# Altium PCB power.PcbDoc (part 1 of 2) (continued)
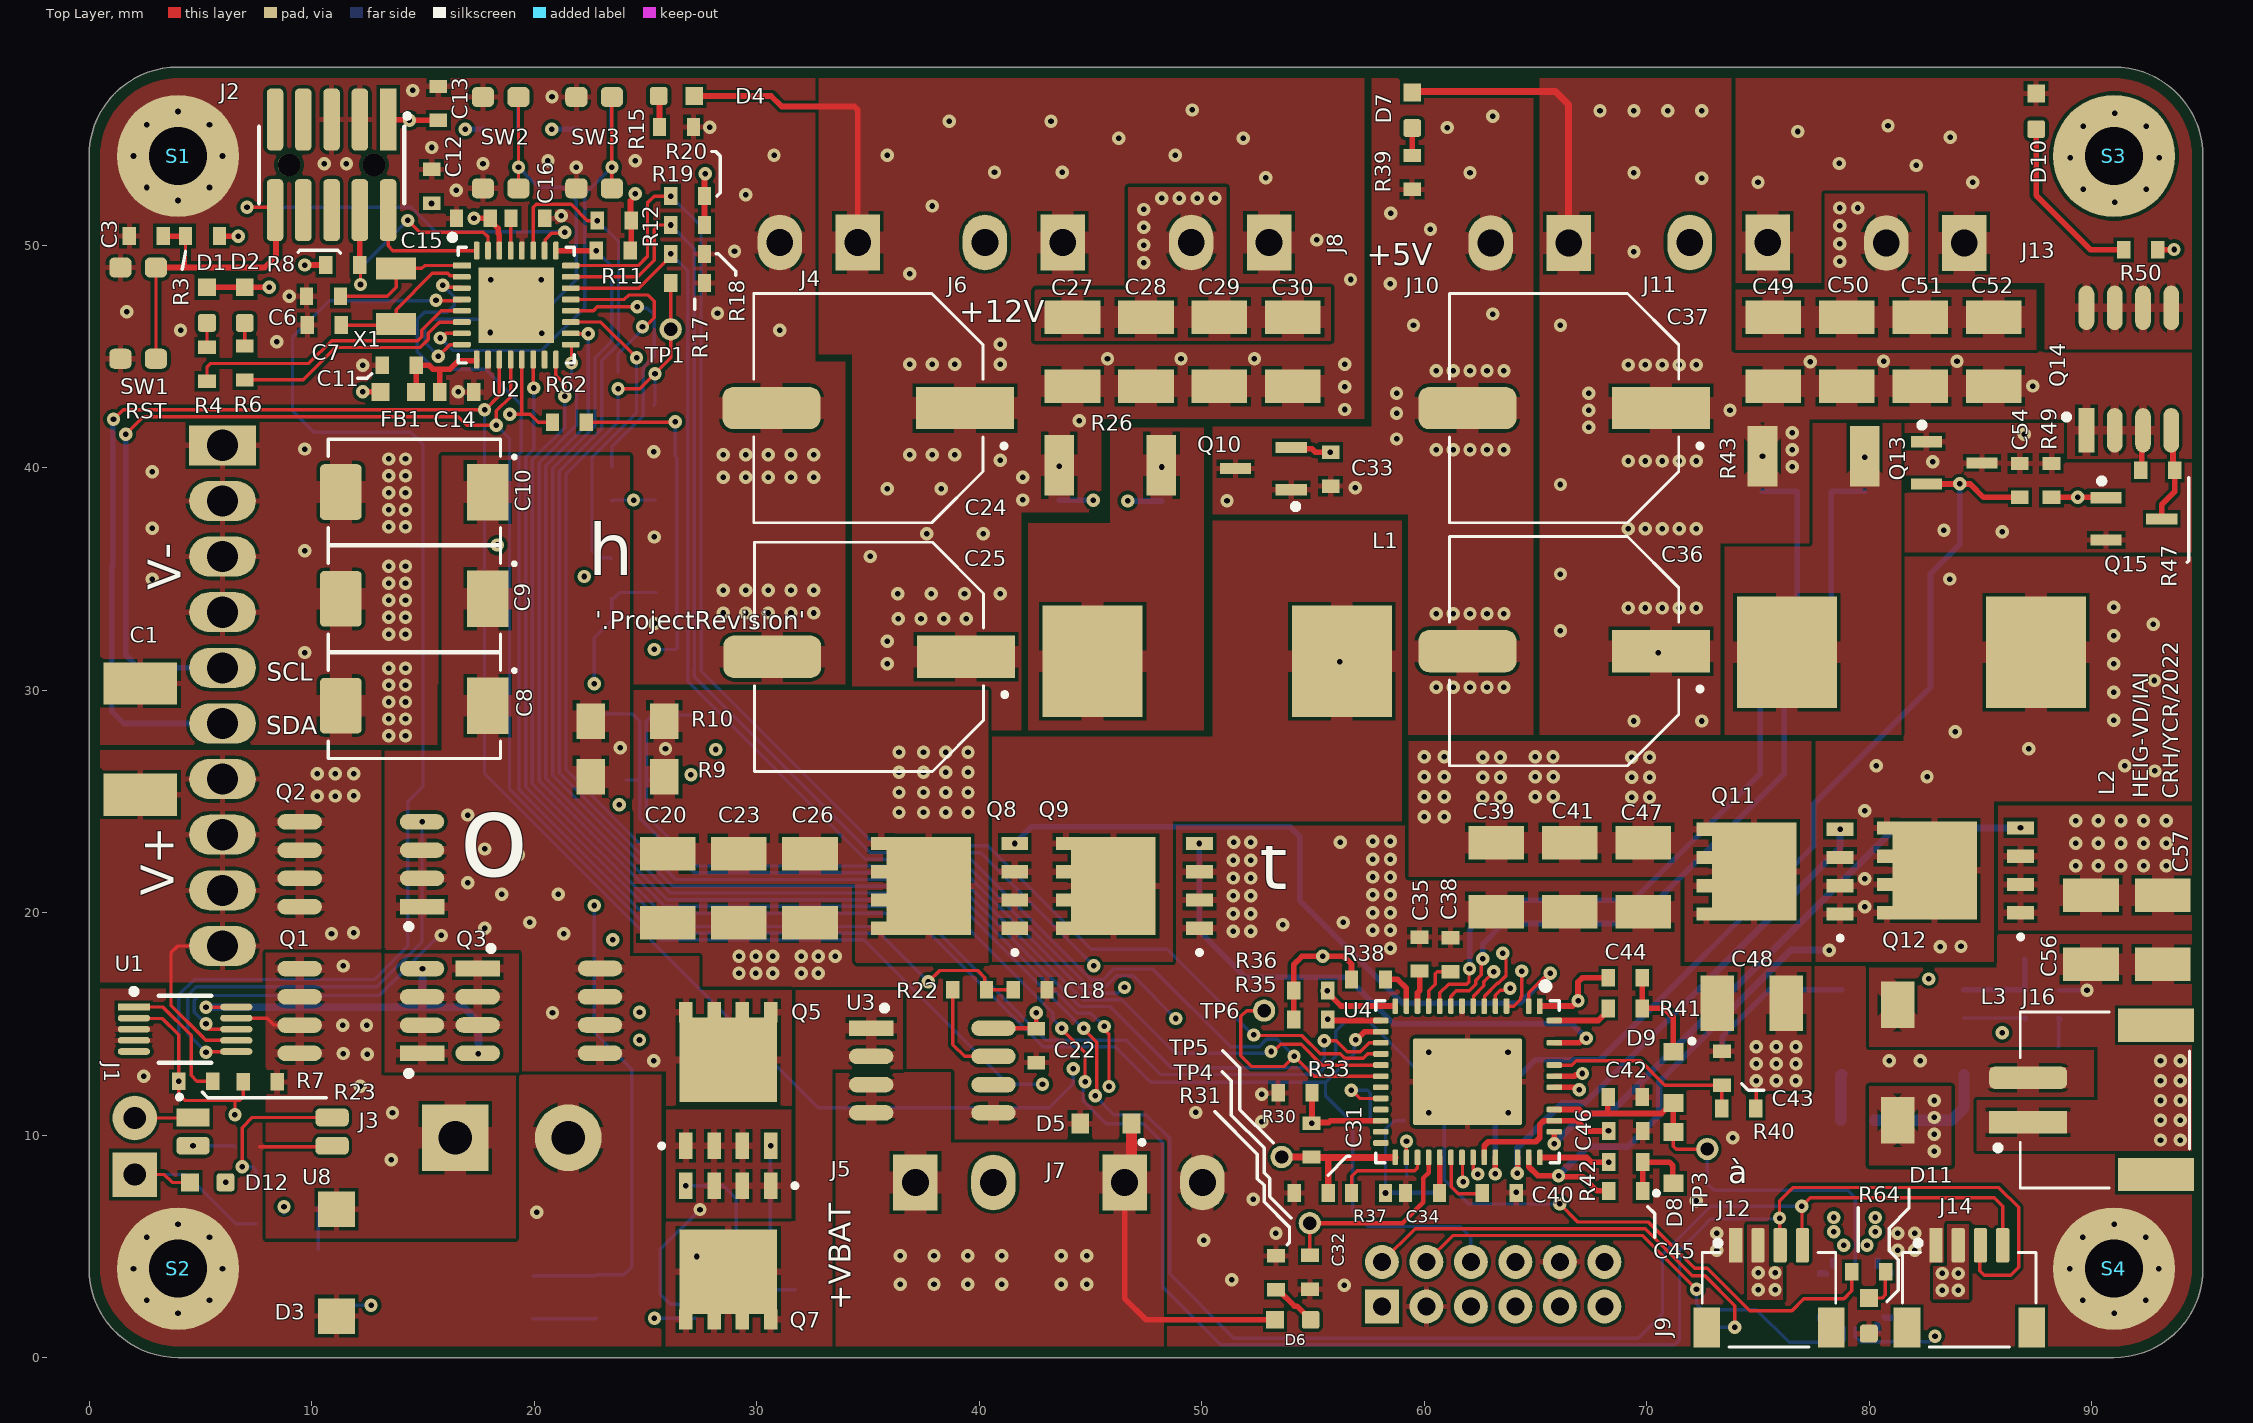
[diagram p0: Top Layer view]
## Classes and differential pairs (continued)

## Components (designator, comment, footprint, x,y, rotation, side; value= is the part's Value field where it differs from the comment)
C1 "15n" SM/C1812 2.311,27.798 r270 top
C3 "100n" SM/C0603 2.6,50.4 r0 top
C4 "100n" SM/C0603 32.487,3.048 r180 bottom
C5 "10n" SM/C0603 14.249,48.26 r270 bottom
C6 "15p" SM/C0603 10.563,47.7 r0 top
C7 "15p" SM/C0603 10.6,46.4 r0 top
C8 "47u" CAP-TANTAL-2917-7343 14.619,29.3 r180 top
C9 "47u" CAP-TANTAL-2917-7343 14.619,34.1 r180 top
C10 "47u" CAP-TANTAL-2917-7343 14.619,38.9 r180 top
C11 "1u" SM/C0603 13.963,44.6 r0 top
C12 "100n" SM/C0603 15.4,52.613 r270 top
C13 "100n" SM/C0603 15.697,56.337 r270 top
C14 "100n" SM/C0603 16.5,43.4 r180 top
C15 "100n" SM/C0603 17.3,51.2 r0 top
C16 "1u" SM/C0603 19.7,51.2 r180 top
C17 "1n" SM/C0603 24.917,25.959 r0 bottom
C18 "100n" SM/C0603 42.266,16.535 r180 top
C19 "1n" SM/C0603 22.733,28.118 r270 bottom
C20 "2.2u" SM/C1210 26,21.1 r90 top value=GMK325B7225KNHT
C21 "1n" SM/C0603 27.051,28.092 r270 bottom
C22 "100n" SM/C0603 42.57,14.046 r90 top
C23 "2.2u" SM/C1210 29.2,21.1 r90 top value=GMK325B7225KNHT
C24 "150u" CAP_16SVP150M 35.02,42.672 r180 top value=16SVP150M
C25 "150u" CAP_16SVP150M 35.052,31.496 r180 top value=16SVP150M
C26 "2.2u" SM/C1210 32.4,21.1 r90 top value=GMK325B7225KNHT
C27 "22u" SM/C1210 44.196,45.212 r90 top
C28 "22u" SM/C1210 47.498,45.212 r90 top
C29 "22u" SM/C1210 50.8,45.212 r90 top
C30 "22u" SM/C1210 54.102,45.212 r90 top
C31 "1u" SM/C0603 54.9,7.4 r180 top
C32 "1u" SM/C0603 54.864,3.81 r270 top
C33 "10n" SM/C0603 55.8,39.9 r270 top
C34 "220p" SM/C0603 59.9,7.4 r180 top
C35 "220p" SM/C0603 59.792,18.161 r90 top
C36 "150u" CAP_16SVP150M 66.294,31.75 r180 top value=16SVP150M
C37 "150u" CAP_16SVP150M 66.294,42.672 r180 top value=16SVP150M
C38 "4.7n" SM/C0603 61.189,18.136 r90 top
C39 "2.2u" SM/C1210 63.246,21.59 r90 top
C40 "4.7n" SM/C0603 63.4,7.4 r0 top
C41 "2.2u" SM/C1210 66.548,21.59 r90 top
C42 "4.7u" SM/C0603 69.063,11.709 r0 top
C43 "1u" SM/C0603 73.381,13.03 r90 top
C44 "100n" SM/C0603 69.012,17.069 r180 top
C45 "100n" SM/C0603 69.037,7.493 r180 top
C46 "4.7u" SM/C0603 69.088,10.185 r0 top
C47 "2.2u" SM/C1210 69.85,21.59 r90 top
C48 "10u" SM/C1210 74.726,15.926 r180 top value=GMK325BJ106KN-T
C49 "22u" SM/C1210 75.692,45.212 r90 top
C50 "22u" SM/C1210 78.994,45.212 r90 top
C51 "22u" SM/C1210 82.296,45.212 r90 top
C52 "22u" SM/C1210 85.598,45.212 r90 top
C53 "100n" SM/C0603 79.502,10.668 r0 bottom
C54 "10n" SM/C0603 86.766,39.446 r90 top
C55 "100n" SM/C0603 19.202,1.753 r0 bottom
C56 "22u" SM/C1210 89.967,19.228 r90 top
C57 "22u" SM/C1210 93.193,19.228 r90 top
C58 "100n" SM/C0603 78.029,8.28 r270 bottom
C59 "3.3n" SM/C0603 87.757,13.97 r0 bottom
C60 "1n" SM/C0603 77.5,38.9 r180 bottom
C61 "1n" SM/C0603 45.9,38.5 r180 bottom
C62 "100n" SM/C0603 22.7,56.6 r0 bottom
C63 "100n" SM/C0603 18.5,56.6 r0 bottom
C64 "100n" SM/C0603 76.784,2.565 r90 bottom
C65 "100n" SM/C0603 80.874,7.493 r180 bottom
C66 "100n" SM/C0603 82.093,2.565 r90 bottom
D1 "User 1 (Green)" SM/LED0603 5.3,47.3 r270 top value=150060SS75000
D2 "User 2 (Red)" SM/LED0603 7,47.3 r270 top value=SM0603URC
D3 "SMAJ20CA" DO214AC 11.125,4.267 r90 top
D4 "12V" SM/LED0603 26.4,56.7 r180 top value=150060SS75000
D5 "SD101BWS 50V 1A" SOD323 45.695,10.516 r180 top value=SD101BWS-TP
D6 "15V" SM/LED0603 54.1,1.7 r0 top value=150060SS75000
D7 "5VP" SM/LED0603 59.461,56.058 r270 top value=150060SS75000
D8 "SD101BWS 50V 1A" SOD323 71.196,8.985 r90 top value=SD101BWS-TP
D9 "SD101BWS 50V 1A" SOD323 71.196,12.598 r270 top value=SD101BWS-TP
D10 "5V" SM/LED0603 87.503,56.007 r270 top value=150060SS75000
D11 "+3.3VEN" SM/LED0603 79.985,1.88 r270 top value=150060SS75000
D12 "ESTOP (Red)" SM/LED0603 5.334,7.874 r0 top value=SM0603URC
FB1 "250@1MHz" SM/L0603 13.9,43.4 r180 top value=MI0603L301R-10
J1 "E-STOP" CONN/HEADER/2.54mm/2POS 2.057,8.23 r270 top value="CONN 2.54"
J2 "FTSH-105-01-L-DV-K-A-P-TR" SAMTEC_FTSH-105-01-L-DV-K-A-P 10.9,53.6 r180 top
J3 "Weidmuller 5.08mm" "CONN 2POS WEIDMULLER 5.08mm" 16.459,9.881 r0 top value=1241060000
J4 "5430425" "CONN2/PHOENIX/MC 1.5-2-G-3.5-GRAY" 34.544,50.114 r180 top
J5 "395021002" "CONN2/PHOENIX/MC 1.5-2-G-3.5-BLACK" 37.14,7.874 r0 top
J6 "5430425" "CONN2/PHOENIX/MC 1.5-2-G-3.5-GRAY" 43.764,50.114 r180 top
J7 "395021002" "CONN2/PHOENIX/MC 1.5-2-G-3.5-BLACK" 46.538,7.874 r0 top
J8 "5430425" "CONN2/PHOENIX/MC 1.5-2-G-3.5-GRAY" 53.03,50.114 r180 top
J9 "98414-G08-12LF" "CONN14 2MM" 58.1,2.3 r180 top
J10 "1844210" "CONN2/PHOENIX/MC 1.5-2-G-3.5" 66.492,50.089 r180 top
J11 "1844210" "CONN2/PHOENIX/MC 1.5-2-G-3.5" 75.438,50.114 r180 top
J12 "I2C" QWIIC-SM04B-SRSS-TB 75.5,5.05 r0 top value="Sparkfun Qwiic"
J13 "1844210" "CONN2/PHOENIX/MC 1.5-2-G-3.5" 84.272,50.089 r180 top
J14 "I2C" QWIIC-SM04B-SRSS-TB 84.5,5.05 r0 top value="Sparkfun Qwiic"
J15 "MSD-DB05M-10P" "CONN DJI-Mavic2" 6,29.7 r270 bottom locked
J16 "JST PH 2-pin" JST_S2B-PH-SM4-TB(LF)(SN) 87.138,11.58 r90 top value="JST S2BPHSM4TBLFSN"
L1 "4.7u" WE-7443551470 50.7,31.3 r0 top value=732-1128-1-ND
L2 "4.7u" WE-7443551470 81.9,31.7 r0 top value=732-1128-1-ND
L3 "4.7u" IND_311470_WRE 81.28,13.265 r270 top value=744311470
Q1 "AO4425" SOIC8 12.217,15.58 r0 top
Q2 "AO4425" SOIC8 12.217,22.174 r0 top
Q3 "AO4425" SOIC8 20.215,15.585 r180 top
Q4 "2N7002" SOT23-3 25.4,41.732 r90 bottom
Q5 "BSC014N04LSIATMA1" PG-TDSON-8_INF 28.727,12.522 r90 top
Q6 "2N7002" SOT23-3 10.302,3.662 r90 bottom
Q7 "BSC014N04LSIATMA1" PG-TDSON-8_INF 28.727,4.724 r270 top
Q8 "BSC014N04LSIATMA1" PG-TDSON-8_INF 38.6,21.2 r180 top
Q9 "BSC014N04LSIATMA1" PG-TDSON-8_INF 46.9,21.2 r180 top
Q10 "MMBT3904,215" SOT23-3 52.725,39.95 r180 top
Q11 "BSC014N04LSIATMA1" PG-TDSON-8_INF 75.692,21.844 r180 top
Q12 "BSC014N04LSIATMA1" PG-TDSON-8_INF 83.8,21.9 r180 top
Q13 "MMBT3904,215" SOT23-3 83.871,40.208 r0 top
Q14 "AO4425" SOIC8 91.669,44.425 r270 top
Q15 "2N7002" SOT23-3 91.948,37.694 r0 top
Q16 "2N7002" SOT23-3 25.483,33.186 r90 bottom
Q17 "2N7002" SOT23-3 25.451,37.363 r90 bottom
R1 "100k" SM/R0603 7.315,9.474 r180 bottom value=120
R2 "560" SM/R0603 7.493,6.782 r270 bottom value=1k
R3 "10k" SM/R0603 5.1,50.4 r0 top
R4 "1k" SM/R0603 5.3,44.638 r90 top
R5 "16k" SM/R0603 7.32,10.916 r180 bottom
R6 "1k" SM/R0603 7,44.7 r90 top
R7 "220k" SM/R0603 7.696,12.395 r0 top
R8 "1k" SM/R0603 11.4,49.1 r180 top
R9 "6m" SM/R1206 24.2,26.1 r0 top value=RHM.006ALCT
R10 "6m" SM/R1206 24.2,28.6 r0 top value=RHM.006ALCT
R11 "10k" SM/R0603 23.562,49.749 r0 top
R12 "10k" SM/R0603 23.6,51.1 r0 top
R13 "1k" SM/R0603 23.876,28.169 r270 bottom
R14 "10" SM/R0603 29.82,3.048 r180 bottom
R15 "1.8k" SM/R0603 26.4,55.3 r180 top
R16 "1k" SM/R0603 25.908,28.118 r270 bottom
R17 "10k" SM/R0603 26.9,48.3 r180 top
R18 "10k" SM/R0603 26.9,49.6 r180 top
R19 "10k" SM/R0603 26.9,50.9 r0 top
R20 "10k" SM/R0603 26.9,52.2 r0 top
R21 "10" SM/R0603 29.845,4.674 r0 bottom
R22 "150" SM/R0603 39.573,16.535 r0 top
R23 "240k" SM/R0603 4.801,12.421 r0 top
R24 "0" SM/R0603 59.233,7.417 r270 bottom
R25 "10k" SM/R0603 60.427,6.655 r90 bottom
R26 "3m" SM/R2010 45.9,40.1 r0 top value=TLR2HWDTE3L00F75
R27 "470" SM/R0603 9.525,6.782 r0 bottom
R28 "1k" SM/R0603 23.774,43.536 r90 bottom
R29 "1k" SM/R0603 23.47,35.128 r90 bottom
R30 "20k" SM/R0603 54.94,9.779 r270 top value=RC0603FR-0720KL
R31 "2.4k" SM/R0603 53.34,3.81 r270 top
R32 "1k" SM/R0603 23.495,39.268 r90 bottom
R33 "17.8k" SM/R0603 54.2,11.9 r0 top
R34 "DNP" SM/R0603 71.476,3.048 r180 bottom
R35 "10k" SM/R0603 54.9,15.2 r180 top
R36 "10k" SM/R0603 54.9,16.5 r180 top
R37 "10k" SM/R0603 57.5,7.4 r0 top
R38 "10k" SM/R0603 57.5,17 r180 top
R39 "460" SM/R0603 59.461,53.264 r90 top
R40 "2" SM/R0603 74.143,11.201 r0 top
R41 "2" SM/R0603 69.037,15.697 r0 top
R42 "2" SM/R0603 69.063,8.788 r0 top
R43 "3m" SM/R2010 77.5,40.5 r0 top value=TLR2HWDTE3L00F75
R44 "220k" SM/R0603 73.406,12.827 r90 bottom
R45 "2.4k" SM/R0603 87.757,17.907 r180 bottom
R46 "7.5k" SM/R0603 87.757,16.51 r0 bottom
R47 "10k" SM/R0603 92.964,39.878 r180 top
R49 "100k" SM/R0603 88.189,39.421 r270 top
R50 "460" SM/R0603 92.202,49.784 r180 top
R51 "10k" SM/R0603 87.757,15.24 r180 bottom
R52 "100" SM/R0603 79.8,39.7 r90 bottom
R53 "100" SM/R0603 75.2,39.7 r90 bottom
R54 "DNP" SM/R0603 72.263,1.372 r180 bottom
R55 "100" SM/R0603 48.2,39.262 r90 bottom
R56 "100" SM/R0603 43.6,39.3 r90 bottom
R57 "10k" SM/R0603 22.7,55.2 r180 bottom
R58 "10k" SM/R0603 18.5,55.2 r180 bottom
R59 "100k" SM/R0603 19.202,3.683 r0 bottom
R60 "DNP" SM/R0603 58.344,10.668 r180 bottom
R61 "DNP" SM/R0603 58.344,11.887 r0 bottom
R62 "10" SM/R0603 21.59,42.037 r180 top
R64 "470" SM/R0603 79.985,3.861 r180 top
S1 "M2.5" HW/HOLE/M2.5/VIA#1 4,54 r0 top
S2 "M2.5" HW/HOLE/M2.5/VIA#1 4,4 r0 top
S3 "M2.5" HW/HOLE/M2.5/VIA#2 91.034,53.924 r0 top
S4 "M2.5" HW/HOLE/M2.5/VIA#3 91.008,3.988 r0 top
SW1 "RESET" "PB TL6330" 2.21,46.939 r90 top value=TL6330AF200Q
SW2 "ENABLE 12V" "PB TL6330" 18.5,54.6 r90 top value=TL6330AF200Q
SW3 "ENABLE 5V" "PB TL6330" 22.7,54.6 r90 top value=TL6330AF200Q
TP1 "TP" TP/0.6 26.138,46.211 r90 top
TP3 "TP" TP/0.6 72.724,9.375 r90 top
TP4 "TP" TP/0.6 54.864,6.045 r90 top
TP5 "TP" TP/0.6 53.594,9.017 r90 top
TP6 "TP" TP/0.6 52.807,15.596 r90 top
U1 "LTC4416EMS-1" MSOP10 4.318,14.757 r0 top
U2 "ATSAMD20E14A-MUT" QFN32_5X5MC_MCH 19.2,47.3 r0 top
U3 "TMCS1107A2B" SOIC8 37.897,12.903 r180 top
U4 "LTC3886-1" LT3886 61.95,12.399 r270 top
U5 "AP64350SP-13" SOIC8-POWER_PAD 81.509,14.63 r180 bottom
U6 "UCS2114T-1-V/LX" IC_UCS2114-1-V/LX 79.375,2.794 r0 bottom
U7 "LTC4373" MSOP8 25.019,2.743 r180 bottom
U8 "ISP281" SOIC-4 4.674,10.795 r0 top
X1 "32.768k" RT3215-32.768-12.5 13.8,47.7 r90 top value=RT3215-32.768-12.5

## Footprints (in the part's own frame and the unit in brackets; to place one, negate y for a bottom-side part, rotate by r counter-clockwise, add the part's x,y. Pads: shape width x height; smd on the part's side, far side on the other; paste and mask are expansions set on the pad)
CAP-TANTAL-2917-7343 [mm]
  rect 1.87x2.541 smd paste+0 mask+0: 1(-3.3,0)
  rrect20% 1.87x2.5 smd paste+0 mask+0: 2(3.3,0)
  silkscreen extent -4.57,-2.37 3.87,2.37, body extent -3.7,-2.22 3.7,2.22, height 3.01
CAP_16SVP150M [mm]
  rect 4.4x1.9 smd: 1(-4.35,0)
  rrect50% 4.4x1.9 smd: 2(4.35,0)
  silkscreen extent -6.2,-5.15 5.15,5.15, body extent -5.5,-5.15 5.5,5.15, height 7.9
"CONN2/PHOENIX/MC 1.5-2-G-3.5" [mm]
  rect 2x2.5 hole 1.2: 1(0,0)
  oval 2x2.5 hole 1.2: 2(3.5,0)
  body extent -2.41,-8.03 5.99,1.17, height 7.25
"CONN2/PHOENIX/MC 1.5-2-G-3.5-BLACK" [mm]
  rect 2x2.5 hole 1.2: 1(0,0)
  oval 2x2.5 hole 1.2: 2(3.5,0)
  body extent -2.44,-8 5.96,1.2, height 7.25
"CONN2/PHOENIX/MC 1.5-2-G-3.5-GRAY" [mm]
  rect 2x2.5 hole 1.2: 1(0,0)
  oval 2x2.5 hole 1.2: 2(3.5,0)
  body extent -2.5,-8 5.9,1.2, height 7.25
"CONN14 2MM" [mm] "98414-G06-12ULF"
  rect 1.524x1.524 hole 0.8: 1(0,0)
  round 1.524 hole 0.8: 2(0,-2) 3(-2,0) 4(-2,-2) 5(-4,0) 6(-4,-2) 7(-6,0) 8(-6,-2) 9(-8,0) 10(-8,-2) 11(-10,0) 12(-10,-2)
  body extent -12,-4.1 2,2, height 5.85
"CONN 2POS WEIDMULLER 5.08mm" [mm]
  rect 3x3 hole 1.5: 1(0,0)
  round 3 hole 1.5: 2(5.08,0)
  body extent -3.6,-10 8.56,2, height 9.4
"CONN DJI-Mavic2" [mm]
  rect 1.8x3 hole 1.4 mask+0.1: 1(-11.3,0)
  oval 1.8x3 hole 1.4 mask+0.1: 2(-8.8,0) 3(-6.3,0) 4(-3.8,0) 5(-1.3,0) 6(1.2,0) 7(3.7,0) 8(6.2,0) 9(8.7,0) 10(11.2,0)
  body extent -17.87,-5.33 17.93,5.37, height 7.5
CONN/HEADER/2.54mm/2POS [mm]
  rect 2x2 hole 1: 1(0,0)
  round 2 hole 1: 2(-2.54,0)
  body extent -3.94,-1.27 1.27,1.27, height 8.38
DO214AC [mm]
  rect 1.6x1.67 smd: 1(2.4,0) 2(-2.4,0)
  body extent -2.63,-1.33 2.48,1.33, height 2.17
HW/HOLE/M2.5/VIA#1 [mm]
  round 5.5 hole 2.6: 1(0,0)
HW/HOLE/M2.5/VIA#2 [mm]
  round 5.5 hole 2.6: 1(-0.034,0.076)
HW/HOLE/M2.5/VIA#3 [mm]
  round 5.5 hole 2.6: 1(-0.008,0.012)
IC_UCS2114-1-V/LX [mm]
  rect 0.1x0.1 smd paste-1 mask+0: 1(-1.45,1) 5(-1.4,-1) 6(-1,-1.45) 10(1,-1.5) 11(1.45,-1) 15(1.45,1) 16(1,1.5) 20(-1,1.5)
  rect 0.5x0.25 smd paste-1: 2(-1.45,0.5) 3(-1.45,0) 4(-1.45,-0.5) 12(1.45,-0.5) 13(1.45,0) 14(1.45,0.5)
  rect 0.25x0.5 smd paste-1: 7(-0.5,-1.45) 8(0,-1.45) 9(0.5,-1.45) 17(0.5,1.45) 18(0,1.45) 19(-0.5,1.45)
  Top Layer region: -1.2,1.025 -1.2,0.875 -1.7,0.875 -1.7,1.125 -1.3,1.125
  Top Layer region: -0.875,1.2 -1.025,1.2 -1.125,1.3 -1.125,1.7 -0.875,1.7
  Top Layer region: -0.875,-1.7 -1.125,-1.7 -1.125,-1.3 -1.025,-1.2 -0.875,-1.2
  Top Layer region: -1.2,-1.025 -1.3,-1.125 -1.7,-1.125 -1.7,-0.875 -1.2,-0.875
  Top Layer region: 1.7,-1.125 1.3,-1.125 1.2,-1.025 1.2,-0.875 1.7,-0.875
  Top Layer region: 1.125,-1.3 1.125,-1.7 0.875,-1.7 0.875,-1.2 1.025,-1.2
  Top Layer region: 1.125,1.3 1.025,1.2 0.875,1.2 0.875,1.7 1.125,1.7
  Top Layer region: 1.7,0.875 1.2,0.875 1.2,1.025 1.3,1.125 1.7,1.125
  silkscreen extent -1.75,1.68 -1.7,1.73, body extent -1.5,-1.5 1.5,1.5, height 0.9
IND_311470_WRE [mil]
  rect 82.5x59 smd paste+0 mask+0: 1(-102.25,0) 2(102.25,0)
  body extent -141,-136 135,136, height 157
JST_S2B-PH-SM4-TB(LF)(SN) [mm]
  rect 1x3.5 smd: 1(-1,0)
  rrect50% 1x3.5 smd: 2(1,0)
  rect 1.5x3.4 smd: S1(-3.35,-5.75) S2(3.35,-5.75)
  silkscreen extent -3.95,-7.25 3.95,1.45, body extent -3.95,-7.37 3.95,1.23, height 5.55
LT3886 [mm]
  rect 0.7x0.255 smd paste+0 mask+0: 1(-3.401,3.25)
  rrect50% 0.7x0.255 smd paste+0 mask+0: 2(-3.401,2.75) 4(-3.401,1.75) 5(-3.401,1.25) 6(-3.401,0.75) 7(-3.401,0.25) 8(-3.401,-0.25) 9(-3.401,-0.75) 10(-3.401,-1.25) 11(-3.401,-1.75) 12(-3.401,-2.25) 13(-3.401,-2.75) 14(-3.401,-3.25) 27(3.401,-3.25) 28(3.401,-2.75) 29(3.401,-2.25) 30(3.401,-1.75) 31(3.401,-1.25) 32(3.401,-0.75) 33(3.401,-0.25) 34(3.401,0.25) 35(3.401,0.75) 36(3.401,1.25) 38(3.401,2.25) 39(3.401,2.75) 40(3.401,3.25)
  rrect50% 0.255x0.7 smd paste+0 mask+0: 15(-2.75,-3.896) 16(-2.25,-3.896) 17(-1.75,-3.896) 18(-1.25,-3.896) 19(-0.75,-3.896) 20(-0.25,-3.896) 21(0.25,-3.896) 22(0.75,-3.896) 23(1.25,-3.896) 24(1.75,-3.896) 25(2.25,-3.896) 26(2.75,-3.896) 42(2.25,3.896) 43(1.75,3.896) 44(1.25,3.896) 46(0.25,3.896) 47(-0.25,3.896) 48(-0.75,3.896) 50(-1.75,3.896) 52(-2.75,3.896)
  rrect5% 3.9x4.9 smd paste-2.832 mask+0: 53(0,0)
  silkscreen extent -4.42,-4.13 3.63,4.13, body extent -3.55,-4.05 3.55,4.05, height 0.75
MSOP8 [mm] "TSOP, 8-Leads, Body 3.00x3.00mm, Pitch 0.65mm, IPC Medium Density"
  rect 1.35x0.45 smd: 1(-2.225,0.975)
  oval 1.35x0.45 smd: 2(-2.225,0.325) 3(-2.225,-0.325) 4(-2.225,-0.975) 5(2.225,-0.975) 6(2.225,-0.325) 7(2.225,0.325) 8(2.225,0.975)
  silkscreen extent -2.35,1.7 -2.1,1.95, body extent -2.45,-1.55 2.45,1.55, height 0.95
MSOP10 [mm] "TSSOP, 10-Leads, Body 3.00x3.00mm, Pitch 0.50mm, Thermal Pad 1.68.2x1.68.2mm, IPC Medium Density"
  rect 1.45x0.3 smd: 1(-2.3,1)
  oval 1.45x0.3 smd: 2(-2.3,0.5) 3(-2.3,0) 4(-2.3,-0.5) 5(-2.3,-1) 6(2.3,-1) 7(2.3,-0.5) 8(2.3,0) 9(2.3,0.5) 10(2.3,1)
  silkscreen extent -2.42,-1.5 1.17,1.82, body extent -2.45,-1.5 2.45,1.5, height 1.15
"PB TL6330" [mm]
  rrect50% 0.9x1 smd: 1(-2.05,0.8) 1(2.05,0.8) 2(-2.05,-0.8) 2(2.05,-0.8)
  body extent -2.3,-1.4 2.3,1.4, height 1.89
PG-TDSON-8_INF [mm]
  rect 1.2x0.6 smd: 1(-3,1.905) 2(-3,0.635) 3(-3,-0.635) 4(-3,-1.905)
  rect 0.9x0.6 smd: 5(3,-1.905) 6(3,-0.635) 7(3,0.635) 8(3,1.905)
  rect 3.8x4.4 smd paste-3: 8(0.864,0)
  silkscreen extent -3.1,2.89 -2.91,3.09, body extent -3.12,-2.58 3.03,2.58, height 1.1
QFN32_5X5MC_MCH [mil]
  rect 31.81x10.03 smd paste+0 mask+0: 1(-96.41,70)
  rrect50% 31.81x10.03 smd paste+0 mask+0: 2(-96.41,50) 3(-96.41,30) 4(-96.41,10) 5(-96.41,-10) 6(-96.41,-30) 7(-96.41,-50) 8(-96.41,-70) 17(96.41,-70) 18(96.41,-50) 19(96.41,-30) 20(96.41,-10) 21(96.41,10) 22(96.41,30) 23(96.41,50) 24(96.41,70)
  rrect50% 10.03x31.81 smd paste+0 mask+0: 9(-70,-96.41) 10(-50,-96.41) 11(-30,-96.41) 12(-10,-96.41) 13(10,-96.41) 14(30,-96.41) 15(50,-96.41) 16(70,-96.41) 25(70,96.41) 26(50,96.41) 27(30,96.41) 28(10,96.41) 29(-10,96.41) 30(-30,96.41) 31(-50,96.41) 32(-70,96.41)
  rect 133.86x133.86 smd paste-66.5 mask+0: 33(0,0)
  silkscreen extent -118,-102 102,125, body extent -101,-101 101,101, height 65
QWIIC-SM04B-SRSS-TB [mm]
  rect 0.6x1.55 smd: 1(-1.5,0)
  rrect30% 0.6x1.55 smd: 2(-0.5,0) 3(0.5,0) 4(1.5,0)
  rect 1.2x1.8 smd: S1(-2.8,-3.7) S2(2.8,-3.7)
  silkscreen extent -3,-4.57 3,0.2, body extent -3,-4.6 3,0.35, height 2.94
RT3215-32.768-12.5 [mm]
  rect 1x1.8 smd: 1(-1.25,0) 2(1.25,0)
  body extent -1.61,-0.76 1.61,0.76, height 0.9
SAMTEC_FTSH-105-01-L-DV-K-A-P [mm]
  rect 0.74x2.79 smd: 1(-2.54,-2.035)
  rrect50% 0.74x2.79 smd: 2(-2.54,2.035) 3(-1.27,-2.035) 4(-1.27,2.035) 5(0,-2.035) 6(0,2.035) 7(1.27,-2.035) 8(1.27,2.035) 9(2.54,-2.035) 10(2.54,2.035)
  round 1.02 hole 1.02 unplated mask+0.102: ""(-1.905,0) ""(1.905,0)
  silkscreen extent -3.52,-2.32 3.26,1.72, body extent -3.18,-2.92 3.18,2.92, height 6.15
SM/C0603 [mm] "Chip Capacitor, Body 1.6x0.8mm, IPC Low Density"
  rect 0.6x0.8 smd: 1(-0.787,0) 2(0.737,0)
  body extent -0.83,-0.4 0.77,0.4, height 0.6
SM/C1210 [mm] "Chip Resistor, Body 3.2x1.6mm, IPC Low Density"
  rect 1.5x2.5 smd: 1(-1.55,0) 2(1.55,0)
  body extent -1.65,-1.24 1.55,1.26, height 2.5
SM/C1812 [mm] "Chip Capacitor, 2-Leads, Body 7.00x3.15mm, IPC Medium Density"
  rect 1.9x3.3 smd: 1(-2.5,0) 2(2.5,0)
  body extent -2.43,-1.73 2.37,1.77, height 1.54
SM/L0603 [mm] "Chip Capacitor, Body 1.6x0.8mm, IPC Low Density"
  rect 0.8x0.8 smd: 1(-0.8,0) 2(0.8,0)
  body extent -0.77,-0.39 0.83,0.41, height 0.45
SM/LED0603 [mm] "Chip Capacitor, Body 1.6x0.8mm, IPC Low Density"
  rect 0.8x0.8 smd: 1(-0.8,0)
  rrect30% 0.8x0.8 smd: 2(0.8,0)
  body extent -0.78,-0.4 0.84,0.4, height 0.73
SM/R0603 [mm] "Chip Resistor, Body 1.6x0.8mm, IPC Low Density"
  rect 0.6x0.8 smd: 1(-0.762,0) 2(0.762,0)
  body extent -0.8,-0.4 0.8,0.4, height 0.4
SM/R1206 [mm] "Chip Resistor, Body 3.2x1.6mm, IPC Low Density"
  rect 1.3x1.6 smd: 1(-1.651,0) 2(1.651,0)
  body extent -1.6,-0.8 1.6,0.8, height 0.55
SM/R2010 [mm]
  rect 1.33x2.72 smd: 1(-2.294,0) 2(2.294,0)
  body extent -2.5,-1.27 2.5,1.23, height 0.54
SOD323 [mm]
  rect 0.8x0.9 smd: 1(-1.15,0) 2(1.15,0)
  silkscreen extent -1.73,0.74 -1.53,0.94, body extent -1.25,-0.67 1.25,0.67, height 1
SOIC8 [mm] "8-Pin Small Outline Integrated Circuit 1.27 mm Pitch, IPC Low Density"
  rect 2x0.7 smd: 1(2.749,-1.905)
  oval 2x0.7 smd: 2(2.749,-0.635) 3(2.749,0.635) 4(2.749,1.905) 5(-2.749,1.905) 6(-2.749,0.635) 7(-2.749,-0.635) 8(-2.749,-1.905)
  silkscreen extent 2.03,-2.93 2.28,-2.68, body extent -2.97,-2.5 3.05,2.5, height 1.75
SOIC8-POWER_PAD [mm] "8-Pin Small Outline Integrated Circuit 1.27 mm Pitch, IPC Low Density"
  rect 2x0.7 smd: 1(2.749,-1.905)
  oval 2x0.7 smd: 2(2.749,-0.635) 3(2.749,0.635) 4(2.749,1.905) 5(-2.749,1.905) 6(-2.749,0.635) 7(-2.749,-0.635) 8(-2.749,-1.905)
  rect 2.7x3.5 smd paste-1.6: 9(-0.027,0.031)
  silkscreen extent 2.03,-2.93 2.28,-2.68, body extent -2.97,-2.5 3.05,2.5, height 1.75
SOIC-4 [mm]
  rect 1.5x0.8 smd: 1(0,0)
  rrect50% 1.5x0.8 smd: 2(0,-1.27) 3(6.25,-1.27) 4(6.25,0)
  silkscreen extent -0.71,0.81 -0.51,1.01, body extent -0.4,-1.93 6.6,0.66, height 2.1
SOT23-3 [mm] "SOT23, 3-Leads, Body 3.0x2.6mm (max), Pitch 0.95mm, IPC Low Density"
  rect 1.4x0.5 smd: 1(-1.3,0.95) 2(-1.3,-0.95) 3(1.2,0)
  silkscreen extent -1.62,1.58 -1.38,1.83, body extent -1.57,-1.5 1.42,1.5, height 1.46
TP/0.6 [mm]
  round 1 hole 0.6: 1(0,0)
WE-7443551470 [mm] "Inductor"
  rect 4.5x5 smd: 1(-5.6,0) 2(5.6,0)
  body extent -7.1,-6.4 7.1,6.4, height 6.34

## Part data
C1: library part C, "0.015 µF ±10% 1500V (1.5kV) Ceramic Capacitor X7R 1812 (4532 Metric)", Dielectric=X7R, Supplier Part Number 1=478-10711-1-ND, Voltage=1500V, Supplier 1=Digi-Key
C3 C5 C6 C7 C13 C16 C19 C21 C31 C32 C42 C46 C54 C61 C64 C66: library part C, "Chip Capacitor", Dielectric=X7R, Voltage=16V
C4 C18 C22 C53 C55 C56 C57 C59: library part C, "CL32B226KPJVPNE", Supplier Part Number 1=490-1719-1-ND, Supplier 1=Digi-Key
  C56: Rule="Polygon Connect Style [Advanced settings]"
  C57: Rule="Polygon Connect Style [Style - Relief Connect    Width = 1mm    Angle = 90    # Entries = 4    Air Gap = 0.15mm    ]"
C8 C9 C10: library part C+2312, "47µF Molded Tantalum Capacitors 25V 2917 (7343 Metric) 900mOhm", Supplier Part Number 1=399-8543-1-ND, Voltage=35V, ESR=200m, Rule="Polygon Connect Style [Style - Direct Connect]", Supplier 1=Digi-Key
C11 C12 C14 C15 C17 C33 C34 C35 C38 C40 C43 C44 C45 C58 C60 C62 C63 C65: library part C, "Chip Capacitor", Dielectric=X7R, Supplier 2 Part Number=1292-1393-1-ND, Voltage=16V, Supplier 2=Digi-Key
C20 C23 C26: library part C, "GMK325B7225KNHT CAP CER 2.2UF 35V X7R 1210", Dielectric=X7R, Supplier Part Number 1=587-3720-1-ND, Voltage=35V, Rule="Polygon Connect Style [Style - Relief Connect    Width = 1mm    Angle = 90    # Entries = 4    Air Gap = 0.15mm    ]", Supplier 1=Digi-Key
C24 C25 C36 C37: library part C+2312, "CAP ALUM POLY 150UF 20% 16V SMD", Supplier Part Number 1=P16458CT-ND, Voltage=16V, Rule="Polygon Connect Style [Style - Direct Connect]", Supplier 1=Digi-Key
C27 C28 C29 C30 C49 C50 C51 C52: library part C, "CL32B226KOJVPJE CAP CER 22UF 16V X7R 1210", Supplier Part Number 1=1276-6801-1-ND, Supplier 1=Digi-Key
  C27 C28 C29 C49 C50 C51 C52: Rule="Polygon Connect Style [Style - Relief Connect    Width = 1mm    Angle = 90    # Entries = 4    Air Gap = 0.15mm    ]"
  C30: Rule="Polygon Connect Style [Advanced settings]"
C39 C41 C47: library part C, "GMK325B7225KNHT CAP CER 2.2UF 35V X7R 1210", Dielectric=X7R, Supplier 2 Part Number=1292-1393-1-ND, Supplier Part Number 1=587-3720-1-ND, Voltage=16V, Rule="Polygon Connect Style [Style - Direct Connect]", Supplier 1=Digi-Key, Supplier 2=Digi-Key
C48: library part C, "10µF ±10% 25V Ceramic Capacitor X5R 1210 (3225 Metric)", Supplier Part Number 1=587-1439-1-ND, Voltage=35V, Rule="Polygon Connect Style [Advanced settings]", Supplier 1=Digi-Key
D1: library part LED, Color=Green
D2 D12: library part LED, Color=Red, Supplier Part Number 1=492-1326-1-ND, Supplier 1=Digi-Key
D3: library part "D TVS", "32.4V Clamp 12.3A Ipp Tvs Diode Surface Mount DO-214AC (SMA)", Supplier Part Number 1=SMAJ20CA-E3/61GICT-ND, Supplier 1=Digi-Key
D4 D6 D7 D10: library part LED, Supplier Part Number 1=732-4979-1-ND, Supplier 1=Digi-Key
D5 D8 D9: library part "D SCHOTTKY CUS520", "Diode Schottky 30V 200mA Surface Mount USC", Supplier Part Number 1=SD101BWSTPMSCT-ND, Supplier 1=Digi-Key
D11: library part LED, Supplier Part Number 1=492-1325-1-ND, Supplier 1=Digi-Key
FB1: library part FB0603, Supplier Part Number 1=240-2374-1-ND, Supplier 1=Digi-Key
J1: library part "CONN 2 MALE", Supplier Part Number 1=WM2722-ND, Supplier 1=Digi-Key
J2: library part "CONN 10 (2x5)", "Connector Header Surface Mount 10 position 0.050\" (1.27mm)", Supplier Part Number 1=SAM13163CT-ND, Supplier 1=Digi-Key
J3: library part "CONN 2 MALE", "TERM BLOCK HDR 2POS 90DEG 5.08MM", Supplier Part Number 1=281-4411-ND, Supplier 1=Digi-Key
J4 J6 J8: library part "CONN 2 PHOENIX 3.5 mm", "TERM BLOCK HDR 2POS 90DEG 3.5MM", Supplier Part Number 1=277-11181-ND, Imax=8A, Rule="Polygon Connect Style [Style - Relief Connect    Width = 1mm    Angle = 90    # Entries = 4    Air Gap = 0.15mm    ]", Supplier 1=Digi-Key
J5 J7: library part "CONN 2 PHOENIX 3.5 mm", "TERM BLOCK HDR 2POS 90DEG 3.5MM BLACK", Supplier Part Number 1=WM7770-ND, Imax=8A, Rule="Polygon Connect Style [Style - Relief Connect    Width = 1mm    Angle = 90    # Entries = 4    Air Gap = 0.15mm    ]", Supplier 1=Digi-Key
J9: library part "CONN 12", "CONN HEADER VERT 12POS 2MM", Supplier Part Number 1=609-6560-ND, Supplier 1=Digi-Key
J10 J11 J13: library part "CONN 2 PHOENIX 3.5 mm", "TERM BLOCK HDR 2POS 90DEG 3.5MM", Supplier Part Number 1=277-2416-ND, Imax=8A, Rule="Polygon Connect Style [Style - Relief Connect    Width = 1mm    Angle = 90    # Entries = 4    Air Gap = 0.15mm    ]", Supplier 1=Digi-Key
J12 J14: library part "CONN 4/QWIIC", "JST Sparkfun Qwiic Connector"
J15: library part "CONN DJI 10POS", "CONN DJI 10POS"
J16: library part "CONN 2 MALE", Supplier Part Number 1=9492615RL, Supplier 1=Farnell
L1 L2: library part L, "FIXED IND 4.7UH 13A 7 MOHM SMD / 7443551470", Supplier Part Number 1=732-1128-1-ND, Imax=13A, Rs=7mOhm, Rule="Polygon Connect Style [Advanced settings]", Supplier 1=Digi-Key
L3: library part L, "FIXED IND 4.7UH 6A 19.5 MOHM SMD", Supplier Part Number 1=732-1153-6-ND, Supplier 1=Digi-Key
Q1 Q2 Q3 Q14: "P-Channel 38 V 14A (Ta) 3.1W (Ta) Surface Mount 8-SOIC", Supplier Part Number 1=785-1026-1-ND, Supplier 1=Digi-Key
  Q14: Rule="Polygon Connect Style [Style - Relief Connect    Width = 0.4mm    Angle = 90    # Entries = 4    Air Gap = 0.15mm    ]"
Q4 Q6 Q15 Q16 Q17: "MOSFET N-CH 60V 115MA SOT323", Supplier Part Number 1=2N7002H6327XTSA2CT-ND, Supplier 1=Digi-Key
Q5 Q7 Q8 Q9 Q11 Q12: library part BSC0502NSIATMA1, "MOSFET N-CH 40V 31A/100A TDSON", Supplier Part Number 1=BSC014N04LSIATMA1CT-ND, Supplier 1=Digi-Key
Q10 Q13: library part Q/FMMT558, "TRANS PNP 400V 150MA HV SOT23-3", Supplier Part Number 1=1727-4044-1-ND, Supplier 1=Digi-Key
R1 R2 R3 R4 R5 R6 R7 R8 R11 R12 R13 R14 R15 R16 R17 R18 R19 R20 R21 R22 R23 R24 R25 R27 R28 R29 R31 R32 R34 R35 R36 R37 R38 R39 R40 R41 R42 R44 R45 R46 R47 R49 R50 R51 R52 R53 R54 R55 R56 R57 R58 R59 R60 R61 R62 R64: library part R, "Chip Resistor SMD"
R9 R10: library part R, "Chip Resistor SMD", Supplier Part Number 1=RHM.006ALCT-ND, Supplier 1=Digi-Key
R26 R43: library part R, "2019-TLR2HWDTE3L00F75CT-ND", Supplier 1=Digi-Key, Supplier Part Number 1=2019-TLR2HWDTE3L00F75CT-ND
R30: library part R, "Chip Resistor SMD", Supplier Part Number 1=311-20.0KHRCT-ND, Supplier 1=Digi-Key
R33: library part R, "Chip Resistor SMD", Supplier Part Number 1=311-178KHRCT-ND, Supplier 1=Digi-Key
S1 S2 S3 S4: library part HOLE/M2.5
SW1 SW3: library part "SWTICH (1)", Supplier Part Number 1=EG5546CT-ND, Supplier 1=Digi-Key
SW2: library part "SWTICH (1)", Supplier Part Number 1=TL751M12QKTTRQ1, Supplier 1="TI store"
TP1 TP3 TP4 TP5 TP6: "Test Point"
U1: library part LTC4416, "IC OR CTRLR SRC SELECT 10MSOP", Supplier Part Number 1=505-LTC4416EMS-1#PBF-ND, Supplier 1=Digi-Key
U2: library part MCU/ATSAMD20E14A-MUT, "ARM® Cortex®-M0+ SAM D20E Microcontroller IC 32-Bit 48MHz 16KB (16K x 8) FLASH 32-QFN (5x5)", Supplier Part Number 1=ATSAMD20E14A-MUTCT-ND, Supplier 1=Digi-Key
U3: library part TMCS1107A, "AEC-Q100, 420-V ISOLATED HALL-EF", Supplier Part Number 1=296-TMCS1107A2BQDRQ1CT-ND, Supplier 1=Digi-Key
U4: library part LTC3886, Supplier Part Number 1=584-LTC3886EUKG#PBF, Supplier 1=Mouser
U5: library part AP64350, "Buck Switching Regulator IC Positive Adjustable 0.8V 1 Output 3.5A 8-SOIC (0.154\", 3.90mm Width) Exposed Pad", Supplier 1=Avnet, Supplier Part Number 1=AP64350SP-13
U6: library part UCS2114T-1-V, "Power Switch/Driver 1:1 - 3A 20-VQFN (3x3)", Supplier Part Number 1=UCS2114T-1-V/LXCT-ND, Supplier 1=Digi-Key
U7: "LOW ICC IDEAL DIODE CONTROLLER W", Supplier Part Number 1=161-LTC4373IMS8#PBF-ND, Supplier 1=Digi-Key
U8: "OPTOISOLATR 5KV TRANSISTOR 4-SMD", Supplier Part Number 1=58-ISP281DCT-ND, Supplier 1=Digi-Key
X1: library part XTAL, Supplier Part Number 1=2151-RT3215-32.768-12.5-TRCT-ND, Supplier 1=Digi-Key

## Via types
v1: diameter 0.6, hole 0.25, Top Layer to Bottom Layer, tented both sides, 626 vias

## Nets (pads, with @x,y where several pads share a name; then routed paths per layer and width w, separated by ;. In a path a pad name is that pad's centre, name@x,y a point inside that pad or via, vN(x,y) a via of type N, cw(c..) or ccw(c..) an arc to the next point about the centre after c; other vN are vias at no path point)
+2.5VLTC: C31.1 R30.2 TP5.1 U4.27 | length 6.5
  Top Layer w0.305: TP5.1@53.797,9.017 R30.2@54.94,9.017 54.96,8.998 55.687,8.998 ; C31.1@55.687,7.4 55.687,8.998 ; U4.27@58.7,8.998 55.687,8.998
+3.3V: C12.2 C13.2 C15.2 C22.2 C56.1 C57.1 C65.2 D1.1 D2.1 D12.1 FB1.2 J1.1 J2.1 J9.5 J16.1 L3.1 R2.2 R3.2 R8.2 R11.2 R12.2 R19.2 R20.2 R25.2 R35.2 R36.2 R37.2 R38.2 R46.2 R57.2 R58.2 R60.1 U2.30 U3.8 U6.6 U6.7 U6.9 U6.10 | length 42
  Top Layer w0.15: J1.1@2.057,8.23 3.378,8.23 3.734,7.874 D12.1@4.534,7.874
  Top Layer w0.203: U3.8@40.646,14.808 40.658,14.796 C22.2@42.558,14.796 ; C22.2@42.57,14.783 v1(42.57,15.494)
  Top Layer w0.254: D1.1@5.3,48.1 D2.1@7,48.1 v1(8.1,48.1) ; R3.2@5.862,50.4 v1(6.7,50.4) ; v1(9.7,49.1) R8.2@10.638,49.1 ; v1(12.3,43.4) FB1.2@13.1,43.4 ; J2.1@13.44,55.635 14.365,55.635 v1(14.4,55.6) C13.2@15.697,55.601 ; C12.2@15.392,51.868 C12.2@15.4,51.876 ; v1(17.3,51.2) C15.2@18.037,51.2 18.037,51.1 18.386,50.75 18.386,50.514 18.438,50.462 U2.30@18.438,49.749 ; R11.2@24.362,49.8 R12.2@24.362,51.1 24.331,51.131 24.331,51.986 24.55,52.205 v1(24.55,52.299) ; R19.2@27.662,50.9 R20.2@27.662,52.2 27.662,53.162 v1(27.7,53.2) ; R35.2@54.077,15.139 R35.2@54.138,15.2 54.128,15.209 54.138,15.219 R36.2@54.138,16.5 54.138,17.667 54.505,18.034 56.388,18.034 56.738,17.684 R38.2@56.738,17
  Bottom Layer w0.15: J1.1@2.057,8.23 4.394,8.23 6.604,6.02 R2.2@7.493,6.02 ; v1(58.262,7.4) 58.262,10.256 58.649,10.643 59.08,10.643 R60.1@59.106,10.668
  Bottom Layer w0.203: v1(58.262,7.4) 58.27,7.408 60.418,7.408 R25.2@60.427,7.417 ; R46.2@88.519,16.51 v1(89.789,16.51)
  Bottom Layer w0.254: v1(16.9,55.2) R58.2@17.738,55.2 ; v1(20.8,55.2) R57.2@21.938,55.2
  other v1: 78.849,5.055 79.901,5.055 78.41,5.664 80.264,5.664 78.41,6.299 80.264,6.299 93.091,9.779 93.98,9.779 93.091,10.668 93.98,10.668 93.091,11.557 93.98,11.557 93.091,12.446 93.98,12.446 93.091,13.335 93.98,13.335 55.446,18.034 15.392,51.867
+3.3VA: C11.2 C14.2 FB1.1 U2.9 | length 5.3
  Top Layer w0.254: FB1.1@14.7,43.372 FB1.1@14.7,43.4 C11.2@14.7,44.6 15.284,44.6 15.461,44.423 15.763,44.423 ; C14.2@15.763,43.4 15.763,44.423 ; U2.9@17.422,44.8 16.6,44.8 16.223,44.423 15.763,44.423 ; U2.9@17.422,44.8 U2.9@17.422,44.851
+3.3VLTC: C32.1 TP4.1 U4.30 | length 9.1
  Top Layer w0.15: C32.1@54.864,4.597 TP4.1@54.864,6.045
  Top Layer w0.203: TP4.1@54.864,6.045 59.03,6.045 59.966,6.981 59.966,8.074 60.2,8.308 U4.30@60.2,8.998
  Top Layer w0.254: C32.1@54.864,4.597 C32.1@54.887,4.62
+5V: C36.1 C37.1 C46.1 C49.1 C50.1 C51.1 C52.1 D7.1 J10.1 Q14.1 Q14.2 Q14.3 R43.1 R47.2 R53.2 U4.35 U4.43 | length 47.4
  Top Layer w0.254: U4.35@62.7,8.998 62.7,9.524 62.879,9.703 65.016,9.703 65.194,9.881 65.194,10.47 65.373,10.649 U4.43@65.847,10.649 66.864,10.649 67.328,10.185 C46.1@68.264,10.185 ; R47.2@92.202,39.624 92.253,39.675 92.253,41.625 Q14.3@92.304,41.676 ; R47.2@92.202,39.776 R47.2@92.202,39.878
  Top Layer w0.305: D7.1@59.3,56.9 65.9,56.9 66.492,56.308 J10.1@66.492,50.089 J10.1@66.492,50.038 ; C46.1@68.264,10.185 v1(68.284,10.206)
  Top Layer w0.635: C37.1@69.394,42.672 C37.1@70.644,42.672
  Inner 2 w0.635: v1(68.284,10.206) 68.284,11.21 71.399,14.326 71.399,30.785 v1(70.51,31.674)
  Bottom Layer w0.635: R53.2@75.2,40.462 75.206,40.468 v1(75.206,40.5)
  other v1: 69.428,28.61 72.476,28.61 66.126,32.674 69.174,33.69 69.936,33.69 70.698,33.69 71.46,33.69 72.222,33.69 66.126,35.214 69.174,37.246 69.936,37.246 70.698,37.246 71.46,37.246 72.222,37.246 66.126,39.239 76.54,40.04 69.174,40.294 69.936,40.294 70.698,40.294 71.46,40.294 72.222,40.294 76.54,40.802 76.54,41.564 67.396,41.818 67.396,42.58 73.746,42.58 67.396,43.342 87.351,43.663 69.174,44.612 69.936,44.612 70.698,44.612 71.46,44.612 72.222,44.612 77.343,44.755 80.645,44.78 83.947,44.78 66.126,46.39 69.428,49.692 72.476,52.994 69.428,53.248 67.904,56.042 69.428,56.042 70.952,56.042 72.476,56.042
+5VINT: C42.1 C58.2 D8.2 D9.2 TP3.1 U4.44 U6.8 | length 21.2
  Top Layer w0.152: D8.2@71.196,10.135 71.196,9.5 71.324,9.371 TP3.1@72.635,9.371
  Top Layer w0.254: U4.44@65.847,11.149 66.972,11.149 67.148,10.973 68.25,10.973 ; C42.1@68.275,11.709 68.25,11.684 68.25,10.973 ; D8.2@71.196,10.135 D9.2@71.196,11.448 71.146,11.448 70.671,10.973 68.25,10.973
  Bottom Layer w0.152: TP3.1@72.724,9.375 72.724,7.82 73.025,7.518 78.029,7.518 79.045,7.518 79.375,7.188 U6.8@79.375,4.244
+5VP: D10.1 J11.1 J13.1 Q14.5 Q14.6 Q14.7 Q14.8 | length 1.5
  Top Layer w0.254: J11.1@75.438,50.114 75.438,50.364 J11.1@76.311,51.237
  other v1: 75.004,52.815 84.656,52.815 82.116,53.577 78.646,53.666 83.64,54.847 76.782,55.101 80.846,55.355
+12V: C24.1 C25.1 C27.1 C28.1 C29.1 C30.1 D4.1 J4.1 J6.1 J8.1 R26.1 R56.2 U4.7 | length 36.1
  Top Layer w0.152: U4.7@62.2,15.8 62.217,15.817 62.217,16.242 62.685,16.71 62.685,16.889 63.12,17.324 v1(63.12,17.344)
  Top Layer w0.254: D4.1@27.2,56.7 30.653,56.7 31.13,56.223 34.395,56.223 34.544,56.074 J4.1@34.544,50.038 ; J6.1@43.764,50.114 43.764,50.364 J6.1@44.637,51.237 ; J8.1@52.578,50.566 J8.1@53.03,50.114
  Inner 2 w0.152: v1@63.115,17.344 v1(63.12,17.344)
  Inner 1 w0.254: 56.21,29.693 56.21,26.89 59.859,23.241 63.551,23.241 64.11,22.682 64.11,17.943 63.577,17.41 63.186,17.41 v1(63.12,17.344)
  other v1: 35.864,31.179 35.864,32.195 36.372,33.211 37.388,33.211 38.404,33.211 39.42,33.211 36.345,34.322 37.845,34.322 39.345,34.322 40.945,34.322 35.102,36.005 37.642,37.021 40.182,37.021 41.96,38.545 38.303,39.04 35.864,39.053 41.96,39.561 43.6,40.062 40.945,40.335 36.88,40.577 37.896,40.577 38.912,40.577 44.5,42.101 56.438,42.609 56.438,43.625 36.88,44.641 37.896,44.641 38.912,44.641 40.944,44.641 56.438,44.641 45.77,44.895 49.072,44.895 52.374,44.895 40.945,45.542 56.692,48.451 36.88,48.705 55.168,50.229 37.896,51.753 52.882,53.023 40.69,53.277 43.738,53.277 35.864,54.039 48.818,54.039 46.278,54.801 51.866,54.801 38.658,55.563 43.23,55.563 49.58,56.071
+VMAIN: C8.1 C9.1 C10.1 C48.1 Q2.1 Q2.2 Q2.3 Q3.5 Q3.6 Q3.7 Q3.8 Q5.5 Q5.6 Q5.7 Q5.8 R9.1 R10.1 R13.2 R40.2 U1.8 U5.2 U5.3 U7.4 | length 18
  Top Layer w0.152: v1(5.258,14.998) 5.249,14.99 5.249,14.863 5.307,14.806 5.355,14.757 U1.8@6.618,14.757 ; R40.2@74.905,11.43 74.93,11.455 v1(74.93,12.446)
  Bottom Layer w0.152: v1(5.258,14.998) 4.732,15.524 4.732,16.068 4.938,16.274 13.041,16.274 15.74,18.974 v1(15.824,18.974) ; v1@25.4,1.778 v1(25.41,1.768) U7.4@27.244,1.768
  other v1: 75.819,12.446 76.708,12.446 74.93,13.208 75.819,13.208 76.708,13.208 25.375,13.335 74.93,13.97 75.819,13.97 76.708,13.97 20.828,15.494 21.336,19.05 17.78,19.304 19.812,19.558 18.542,20.828 21.082,20.828 17.018,21.336 19.304,22.606 17.78,22.86 17.018,24.384 23.876,27.407
CURRENT: C18.2 R22.2 U2.3 | length 55
  Top Layer w0.152: v1(15.9,48.2) 16.021,48.2 16.119,48.102 16.711,48.102 U2.3@16.751,48.062 ; v1(37.719,16.891) 38.227,17.399 39.933,17.399 40.257,17.075 40.257,16.613 R22.2@40.335,16.535 C18.2@41.529,16.535
  Bottom Layer w0.152: v1(15.9,48.2) 16.416,47.684 16.416,47.29 16.106,46.98 15.077,46.98 14.757,46.66 14.757,45.198 15.531,44.425 17.831,44.425 19.426,42.829 19.426,40.696 19.322,40.592 19.322,25.538 25.785,19.075 35.535,19.075 v1(37.719,16.891)